# Altium PCB KlusterLab r2.0.PcbDoc (part 11 of 22)
Units mm, origin at the board's own origin, x right, y up, seen from the top; angles counter-clockwise.
Board outline 232 x 250 mm, 12 copper layers (L1 Top, L2 Inner1 (GND), L3 Inner2 (Sig), L4 Inner3 (GND), L5 Inner4 (PWR), L6 Inner5 (PWR), L7 Inner6 (PWR), L8 Inner7 (PWR), L9 Inner8 (GND), L10 Inner9 (Sig), L11 Inner10 (GND), L12 Bottom), stack 1.614 mm thick; 1169 components, 852 nets, 4679 pads, 5115 vias.
Unrouted connection lines stored in the file: 1.
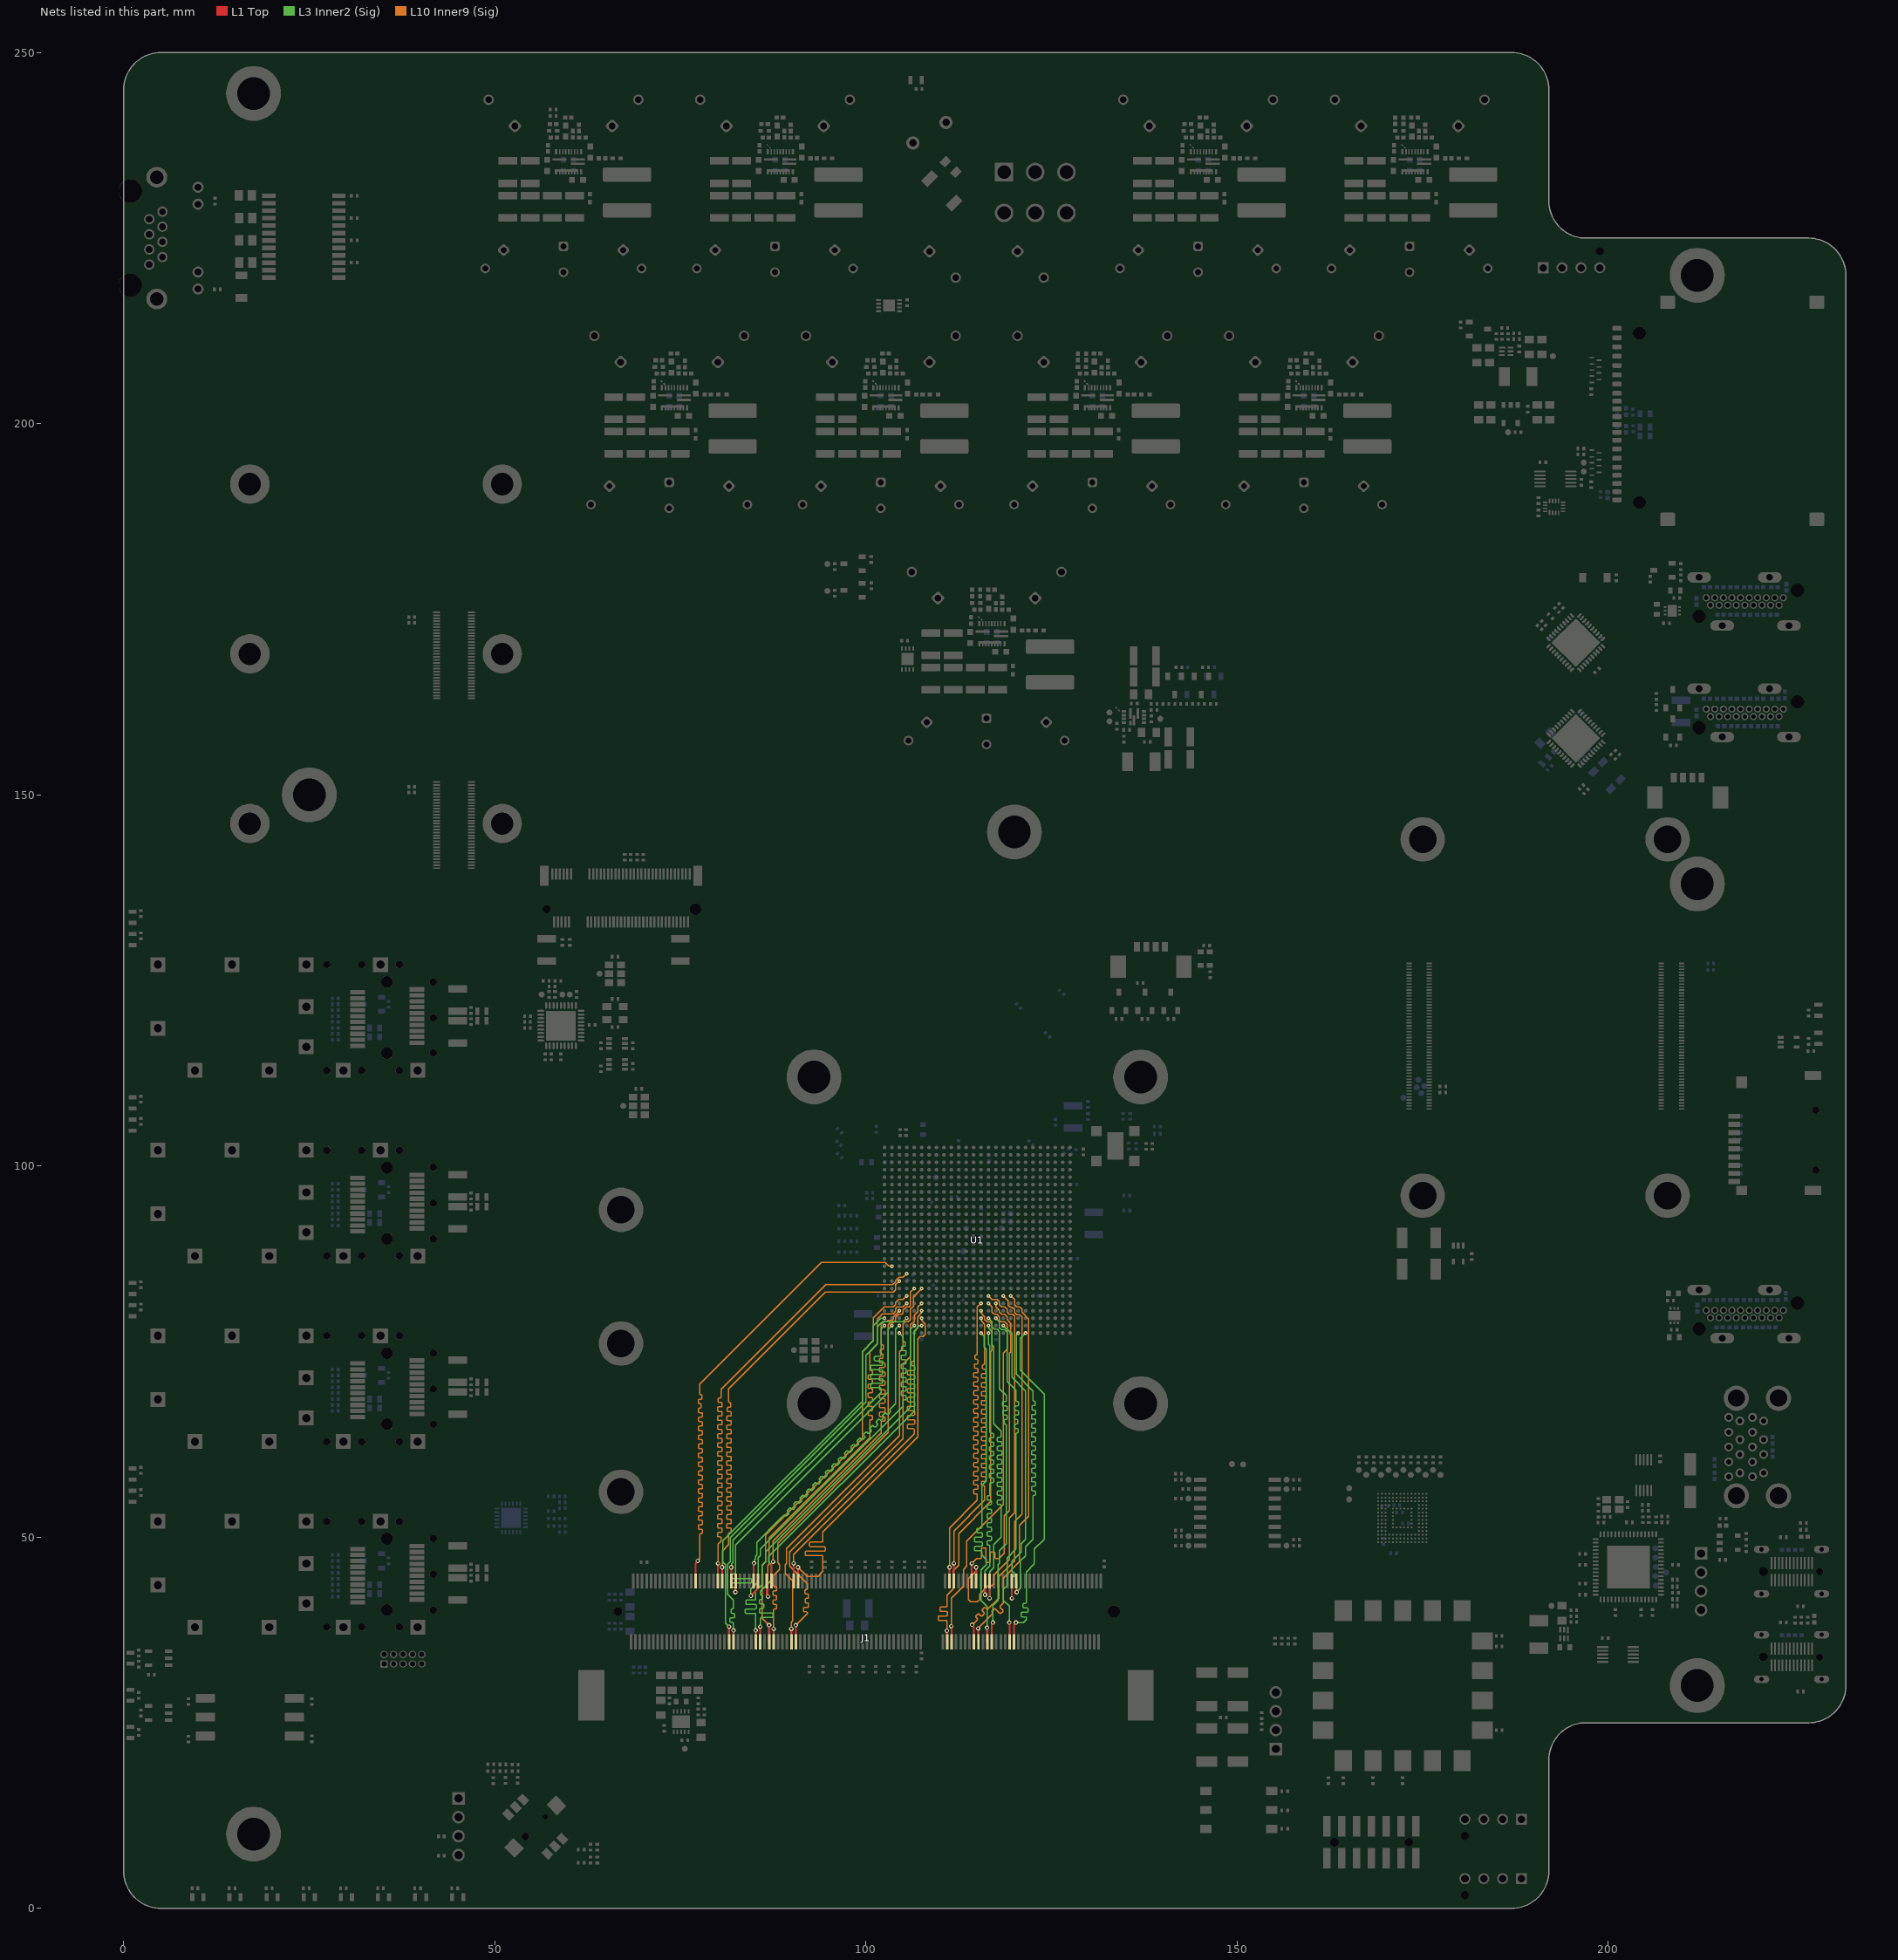
[diagram p21: the nets of this part, all layers, seen from the top]

## Via types
v1: diameter 0.45, hole 0.2, L1 Top to L12 Bottom, tented both sides, 4200 vias
v2: diameter 0.6, hole 0.3, L1 Top to L12 Bottom, tented both sides, 908 vias
v3: diameter 0.4, hole 0.2, L1 Top to L12 Bottom, tented both sides, 7 vias

## Nets (pads, with @x,y where several pads share a name; then routed paths per layer and width w, separated by ;. In a path a pad name is that pad's centre, name@x,y a point inside that pad or via, vN(x,y) a via of type N, cw(c..) or ccw(c..) an arc to the next point about the centre after c; other vN are vias at no path point) (continued)
DDR3_D16: J1.39 U1.AF19 | length 46.9
  L1 Top w0.249: J1.39@120.25,44.1 120.275,44.075 120.275,42.625 v2(120.3,42.6)
  L3 Inner2 (Sig) w0.154: v2(120.3,42.6) 120.8,43.1 120.8,46.8 121.5,47.5 121.5,48.7 122.5,49.7 122.5,54.811 122.5,55.492 cw(c122.654,55.492) 122.654,55.646 122.694,55.646 ccw(c122.694,55.797) 122.845,55.797 122.845,56.099 ccw(c122.694,56.099) 122.694,56.25 122.452,56.25 cw(c122.452,56.401) 122.301,56.401 122.301,56.703 cw(c122.452,56.703) 122.452,56.854 122.694,56.854 ccw(c122.694,57.005) 122.845,57.005 122.845,57.307 ccw(c122.694,57.307) 122.694,57.458 122.452,57.458 cw(c122.452,57.609) 122.301,57.609 122.301,57.911 cw(c122.452,57.911) 122.452,58.062 122.694,58.062 ccw(c122.694,58.213) 122.845,58.213 122.845,58.515 ccw(c122.694,58.515) 122.694,58.666 122.452,58.666 cw(c122.452,58.817) 122.301,58.817 122.301,59.119 cw(c122.452,59.119) 122.452,59.27 122.694,59.27 ccw(c122.694,59.421) 122.845,59.421 122.845,59.723 ccw(c122.694,59.723) 122.694,59.874 122.452,59.874 cw(c122.452,60.025) 122.301,60.025 122.301,60.327 cw(c122.452,60.327) 122.452,60.478 122.694,60.478 ccw(c122.694,60.629) 122.845,60.629 122.845,60.931 ccw(c122.694,60.931) 122.694,61.082 122.452,61.082 cw(c122.452,61.233) 122.301,61.233 122.301,61.535 cw(c122.452,61.535) 122.452,61.686 122.694,61.686 ccw(c122.694,61.837) 122.845,61.837 122.845,62.139 ccw(c122.694,62.139) 122.694,62.29 122.452,62.29 cw(c122.452,62.441) 122.301,62.441 122.301,62.743 cw(c122.452,62.743) 122.452,62.894 122.694,62.894 ccw(c122.694,63.045) 122.845,63.045 122.845,63.347 ccw(c122.694,63.347) 122.694,63.498 122.452,63.498 cw(c122.452,63.649) 122.301,63.649 122.301,63.951 cw(c122.452,63.951) 122.452,64.102 122.694,64.102 ccw(c122.694,64.253) 122.845,64.253 122.845,64.555 ccw(c122.694,64.555) 122.694,64.706 122.452,64.706 cw(c122.452,64.857) 122.301,64.857 122.301,65.159 cw(c122.452,65.159) 122.452,65.31 122.694,65.31 ccw(c122.694,65.461) 122.845,65.461 122.845,65.763 ccw(c122.694,65.763) 122.694,65.914 122.452,65.914 cw(c122.452,66.065) 122.301,66.065 122.301,66.367 cw(c122.452,66.367) 122.452,66.518 122.69,66.518 ccw(c122.69,66.669) 122.841,66.669 122.841,66.971 ccw(c122.69,66.971) 122.69,67.123 122.5,67.123 cw(c122.5,67.274) 122.349,67.274 122.349,67.576 cw(c122.5,67.576) 122.5,67.727 122.654,67.727 ccw(c122.654,67.878) 122.805,67.878 122.805,68.18 ccw(c122.654,68.18) 122.654,68.331 cw(c122.654,68.485) 122.5,68.485 122.5,69.7 120.25,71.95 120.25,77.25 v1(120.5,77.5)
DDR3_D17: J1.41 U1.AE17 | length 41.5
  L1 Top w0.249: v2(119.65,41.75) J1.41@119.65,44.1
  L3 Inner2 (Sig) w0.154: v1(118.502,78.5) 119.65,77.352 119.65,71.55 121.5,69.7 121.5,49.7 120.9,49.1 120.9,48 119.65,46.75 119.65,45.515 119.65,45.438 ccw(c119.804,45.438) 119.804,45.284 119.818,45.284 cw(c119.818,45.133) 119.969,45.133 119.969,44.831 cw(c119.818,44.831) 119.818,44.68 119.804,44.68 ccw(c119.804,44.526) 119.65,44.526 119.65,43.9 v2(119.65,41.75)
DDR3_D18: J1.51 U1.AE15 | length 47.8
  L1 Top w0.249: v2(116.65,41.75) J1.51@116.65,44.1
  L3 Inner2 (Sig) w0.154: v1(116.5,78.5) 116.525,78.475 116.525,78.175 117,77.7 117,75.9 117.2,75.7 117.2,65.3 118.2,64.3 118.2,63.619 cw(c118.046,63.619) 118.046,63.465 117.851,63.465 ccw(c117.851,63.314) 117.7,63.314 117.7,63.012 ccw(c117.851,63.012) 117.851,62.861 118.151,62.861 cw(c118.151,62.71) 118.302,62.71 118.302,62.408 cw(c118.151,62.408) 118.151,62.257 117.851,62.257 ccw(c117.851,62.106) 117.7,62.106 117.7,61.804 ccw(c117.851,61.804) 117.851,61.653 118.151,61.653 cw(c118.151,61.502) 118.302,61.502 118.302,61.2 cw(c118.151,61.2) 118.151,61.049 117.851,61.049 ccw(c117.851,60.898) 117.7,60.898 117.7,60.596 ccw(c117.851,60.596) 117.851,60.445 118.151,60.445 cw(c118.151,60.294) 118.302,60.294 118.302,59.992 cw(c118.151,59.992) 118.151,59.841 117.851,59.841 ccw(c117.851,59.69) 117.7,59.69 117.7,59.388 ccw(c117.851,59.388) 117.851,59.237 118.151,59.237 cw(c118.151,59.086) 118.302,59.086 118.302,58.784 cw(c118.151,58.784) 118.151,58.633 117.851,58.633 ccw(c117.851,58.482) 117.7,58.482 117.7,58.18 ccw(c117.851,58.18) 117.851,58.029 118.151,58.029 cw(c118.151,57.877) 118.302,57.877 118.302,57.575 cw(c118.151,57.575) 118.151,57.424 117.851,57.424 ccw(c117.851,57.273) 117.7,57.273 117.7,56.971 ccw(c117.851,56.971) 117.851,56.82 118.151,56.82 cw(c118.151,56.669) 118.302,56.669 118.302,56.367 cw(c118.151,56.367) 118.151,56.216 117.851,56.216 ccw(c117.851,56.065) 117.7,56.065 117.7,55.763 ccw(c117.851,55.763) 117.851,55.612 118.151,55.612 cw(c118.151,55.461) 118.302,55.461 118.302,55.159 cw(c118.151,55.159) 118.151,55.008 117.851,55.008 ccw(c117.851,54.857) 117.7,54.857 117.7,54.555 ccw(c117.851,54.555) 117.851,54.404 118.046,54.404 cw(c118.046,54.25) 118.2,54.25 118.2,52.627 118.2,50 117.2,49 117.2,45.9 116.65,45.35 v2(116.65,41.75)
DDR3_D19: J1.53 U1.AF15 | length 47.5
  L1 Top w0.249: v2(116.05,42.25) J1.53@116.05,44.1
  L3 Inner2 (Sig) w0.154: v2(116.05,42.25) 116.05,45.45 116.7,46.1 116.7,48.697 116.7,48.774 ccw(c116.546,48.774) 116.546,48.928 116.476,48.928 cw(c116.476,49.079) 116.325,49.079 116.325,49.381 cw(c116.476,49.381) 116.476,49.532 116.741,49.532 ccw(c116.741,49.683) 116.892,49.683 116.892,49.985 ccw(c116.741,49.985) 116.741,50.136 116.476,50.136 cw(c116.476,50.287) 116.325,50.287 116.325,50.589 cw(c116.476,50.589) 116.476,50.74 116.741,50.74 ccw(c116.741,50.891) 116.892,50.891 116.892,51.193 ccw(c116.741,51.193) 116.741,51.344 116.476,51.344 cw(c116.476,51.495) 116.325,51.495 116.325,51.798 cw(c116.476,51.798) 116.476,51.949 116.741,51.949 ccw(c116.741,52.1) 116.892,52.1 116.892,52.402 ccw(c116.741,52.402) 116.741,52.553 116.476,52.553 cw(c116.476,52.704) 116.325,52.704 116.325,53.006 cw(c116.476,53.006) 116.476,53.157 116.741,53.157 ccw(c116.741,53.308) 116.892,53.308 116.892,53.61 ccw(c116.741,53.61) 116.741,53.761 116.476,53.761 cw(c116.476,53.912) 116.325,53.912 116.325,54.214 cw(c116.476,54.214) 116.476,54.365 116.741,54.365 ccw(c116.741,54.516) 116.892,54.516 116.892,54.818 ccw(c116.741,54.818) 116.741,54.969 116.476,54.969 cw(c116.476,55.12) 116.325,55.12 116.325,55.422 cw(c116.476,55.422) 116.476,55.573 116.546,55.573 ccw(c116.546,55.727) 116.7,55.727 116.7,56.496 116.7,56.531 116.7,57.212 cw(c116.854,57.212) 116.854,57.366 117.049,57.366 ccw(c117.049,57.517) 117.2,57.517 117.2,57.819 ccw(c117.049,57.819) 117.049,57.97 116.782,57.97 cw(c116.782,58.121) 116.631,58.121 116.631,58.423 cw(c116.782,58.423) 116.782,58.574 117.049,58.574 ccw(c117.049,58.725) 117.2,58.725 117.2,59.027 ccw(c117.049,59.027) 117.049,59.178 116.782,59.178 cw(c116.782,59.329) 116.631,59.329 116.631,59.631 cw(c116.782,59.631) 116.782,59.782 117.049,59.782 ccw(c117.049,59.933) 117.2,59.933 117.2,60.235 ccw(c117.049,60.235) 117.049,60.386 116.782,60.386 cw(c116.782,60.537) 116.631,60.537 116.631,60.839 cw(c116.782,60.839) 116.782,60.99 117.049,60.99 ccw(c117.049,61.141) 117.2,61.141 117.2,61.443 ccw(c117.049,61.443) 117.049,61.594 116.782,61.594 cw(c116.782,61.745) 116.631,61.745 116.631,62.047 cw(c116.782,62.047) 116.782,62.198 117.049,62.198 ccw(c117.049,62.349) 117.2,62.349 117.2,62.651 ccw(c117.049,62.651) 117.049,62.802 116.782,62.802 cw(c116.782,62.953) 116.631,62.953 116.631,63.255 cw(c116.782,63.255) 116.782,63.406 117.049,63.406 ccw(c117.049,63.557) 117.2,63.557 117.2,63.859 ccw(c117.049,63.859) 117.049,64.01 116.854,64.01 cw(c116.854,64.164) 116.7,64.164 116.7,64.88 116.7,75.8 116.5,76 v1(116.5,77.5)
DDR3_D20: J1.40 U1.AF20 | length 47.7
  L1 Top w0.249: J1.40@119.95,35.9 119.95,38.155 120.2,38.405 v2(120.2,38.5)
  L3 Inner2 (Sig) w0.154: v2(120.2,38.5) 121.2,38.5 121.6,38.9 121.6,39.044 121.6,39.121 ccw(c121.446,39.121) 121.446,39.275 121.054,39.275 cw(c121.054,39.426) 120.903,39.426 120.903,39.728 cw(c121.054,39.728) 121.054,39.879 121.675,39.879 ccw(c121.675,40.03) 121.826,40.03 121.826,40.332 ccw(c121.675,40.332) 121.675,40.483 121.305,40.483 cw(c121.305,40.634) 121.154,40.634 121.154,40.936 cw(c121.305,40.936) 121.305,41.087 121.446,41.087 ccw(c121.446,41.242) 121.6,41.242 121.6,42.7 121.6,45.3 122.7,46.4 122.7,48.4 124,49.7 124,69.3 120.8,72.5 120.8,76.803 v1(121.497,77.5)
DDR3_D21: J1.42 U1.AD16 | length 48.3
  L1 Top w0.249: v2(119.3,38.5) 119.35,38.45 J1.42@119.35,35.9
  L3 Inner2 (Sig) w0.154: v1(117.5,79.5) 118,79 118,78.2 118.249,77.951 118.649,77.951 119,77.6 119,71 120.2,69.8 120.2,68.5 120.2,68.423 ccw(c120.354,68.423) 120.354,68.269 120.393,68.269 cw(c120.393,68.118) 120.544,68.118 120.544,67.816 cw(c120.393,67.816) 120.393,67.665 120.204,67.665 ccw(c120.204,67.514) 120.053,67.514 120.053,67.212 ccw(c120.204,67.212) 120.204,67.061 120.393,67.061 cw(c120.393,66.91) 120.544,66.91 120.544,66.608 cw(c120.393,66.608) 120.393,66.457 120.204,66.457 ccw(c120.204,66.306) 120.053,66.306 120.053,66.004 ccw(c120.204,66.004) 120.204,65.853 120.295,65.853 cw(c120.295,65.702) 120.446,65.702 120.446,65.4 cw(c120.295,65.4) 120.295,65.249 120.204,65.249 ccw(c120.204,65.098) 120.053,65.098 120.053,64.796 ccw(c120.204,64.796) 120.204,64.645 120.354,64.645 cw(c120.354,64.494) 120.505,64.494 120.505,64.192 cw(c120.354,64.192) 120.354,64.041 ccw(c120.354,63.887) 120.2,63.887 120.2,60.7 120.2,48.4 119,47.2 119,43.5 118.5,43 118.5,41.5 119.3,40.7 v2(119.3,38.5)
DDR3_D22: J1.50 U1.AD15 | length 47.9
  L1 Top w0.249: J1.50@116.95,35.9 116.95,38.255 117.1,38.405 v2(117.1,38.5)
  L3 Inner2 (Sig) w0.154: v1(116.5,79.5) 117,79 117,78.3 117.3,78 117.7,78 118,77.7 118,70 118.9,69.1 118.9,68.419 cw(c118.746,68.419) 118.746,68.265 118.551,68.265 ccw(c118.551,68.114) 118.4,68.114 118.4,67.812 ccw(c118.551,67.812) 118.551,67.661 118.872,67.661 cw(c118.872,67.51) 119.023,67.51 119.023,67.208 cw(c118.872,67.208) 118.872,67.057 118.582,67.057 ccw(c118.582,66.906) 118.431,66.906 118.431,66.604 ccw(c118.582,66.604) 118.582,66.453 118.872,66.453 cw(c118.872,66.302) 119.023,66.302 119.023,66 cw(c118.872,66) 118.872,65.849 118.746,65.849 ccw(c118.746,65.698) 118.595,65.698 118.595,65.396 ccw(c118.746,65.396) 118.746,65.245 cw(c118.746,65.091) 118.9,65.091 118.9,63.7 118.9,49.1 118,48.2 118,46.5 117.8,46.3 117.8,41.5 117.1,40.8 v2(117.1,38.5)
DDR3_D23: J1.52 U1.AF14 | length 47.8
  L1 Top w0.249: v2(116.3,37.8) 116.325,37.775 116.325,35.925 J1.52@116.35,35.9
  L3 Inner2 (Sig) w0.154: v1(115.5,77.498) 115.9,77.098 115.9,75.6 116.2,75.3 116.2,57.6 115.6,57 115.6,56 115.6,51.344 cw(c115.446,51.344) 115.446,51.19 115.089,51.19 ccw(c115.089,51.039) 114.938,51.039 114.938,50.737 ccw(c115.089,50.737) 115.089,50.586 115.521,50.586 cw(c115.521,50.435) 115.672,50.435 115.672,50.133 cw(c115.521,50.133) 115.521,49.982 114.772,49.982 ccw(c114.772,49.831) 114.621,49.831 114.621,49.529 ccw(c114.772,49.529) 114.772,49.378 115.521,49.378 cw(c115.521,49.227) 115.672,49.227 115.672,48.925 cw(c115.521,48.925) 115.521,48.774 114.772,48.774 ccw(c114.772,48.623) 114.621,48.623 114.621,48.321 ccw(c114.772,48.321) 114.772,48.17 115.446,48.17 cw(c115.446,48.016) 115.6,48.016 115.6,47.939 115.6,47.6 116.2,47 116.2,46.3 115.5,45.6 115.5,41.5 116.35,40.65 116.35,37.85 v2(116.3,37.8)
DDR3_D24: J1.57 U1.AA15 | length 53.9
  L1 Top w0.249: J1.57@114.85,44.1 v2(114.85,45.95)
  L10 Inner9 (Sig) w0.154: v2(114.85,45.95) 114.8,45.9 114.8,45.4 113.8,44.4 113.8,41.6 114.1,41.3 115,41.3 115.3,41.6 115.3,42.3 116.4,43.4 116.9,43.4 117.2,43.7 117.2,44.9 119.3,47 119.3,52.6 120,53.3 120,74.6 120,79.8 119.8,80 119.3,80 119,80.3 119,80.7 118.7,81 118.3,81 118,81.3 118,81.7 117.7,82 117,82 v1(116.5,82.5)
DDR3_D25: J1.59 U1.AB16 | length 47.6
  L1 Top w0.249: J1.59@114.25,44.1 v2(114.25,46.45)
  L10 Inner9 (Sig) w0.154: v2(114.25,46.45) 114.9,47.1 115.318,47.1 115.395,47.1 ccw(c115.395,47.254) 115.549,47.254 115.549,48.396 cw(c115.7,48.396) 115.7,48.547 116.002,48.547 cw(c116.002,48.396) 116.153,48.396 116.153,46.751 ccw(c116.304,46.751) 116.304,46.6 116.606,46.6 ccw(c116.606,46.751) 116.757,46.751 116.757,47.863 cw(c116.908,47.863) 116.908,48.014 117.21,48.014 cw(c117.21,47.863) 117.361,47.863 117.361,47.254 ccw(c117.515,47.254) 117.515,47.1 117.832,47.1 117.9,47.1 118.6,47.8 118.6,52.9 119.3,53.6 119.3,74.8 119.5,75 119.5,78.8 119,79.3 119,79.7 118.7,80 118.3,80 118,80.3 118,80.569 117.525,81.044 117.525,81.475 v1(117.5,81.5)
DDR3_D26: J1.67 U1.AD14 | length 50.1
  L1 Top w0.249: J1.67@111.85,44.1 v2(111.85,46.45)
  L10 Inner9 (Sig) w0.154: v2(111.85,46.45) 111.85,50.85 116,55 116,56.7 116,56.777 ccw(c115.846,56.777) 115.846,56.931 115.712,56.931 cw(c115.712,57.082) 115.561,57.082 115.561,57.384 cw(c115.712,57.384) 115.712,57.535 116.019,57.535 ccw(c116.019,57.686) 116.17,57.686 116.17,57.988 ccw(c116.019,57.988) 116.019,58.139 115.712,58.139 cw(c115.712,58.29) 115.561,58.29 115.561,58.592 cw(c115.712,58.592) 115.712,58.743 116.019,58.743 ccw(c116.019,58.894) 116.17,58.894 116.17,59.196 ccw(c116.019,59.196) 116.019,59.347 115.712,59.347 cw(c115.712,59.498) 115.561,59.498 115.561,59.8 cw(c115.712,59.8) 115.712,59.951 116.019,59.951 ccw(c116.019,60.102) 116.17,60.102 116.17,60.404 ccw(c116.019,60.404) 116.019,60.555 115.712,60.555 cw(c115.712,60.706) 115.561,60.706 115.561,61.008 cw(c115.712,61.008) 115.712,61.159 116.019,61.159 ccw(c116.019,61.31) 116.17,61.31 116.17,61.612 ccw(c116.019,61.612) 116.019,61.763 115.712,61.763 cw(c115.712,61.914) 115.561,61.914 115.561,62.216 cw(c115.712,62.216) 115.712,62.367 116.019,62.367 ccw(c116.019,62.518) 116.17,62.518 116.17,62.82 ccw(c116.019,62.82) 116.019,62.971 115.712,62.971 cw(c115.712,63.122) 115.561,63.122 115.561,63.424 cw(c115.712,63.424) 115.712,63.575 116.019,63.575 ccw(c116.019,63.726) 116.17,63.726 116.17,64.028 ccw(c116.019,64.028) 116.019,64.179 115.712,64.179 cw(c115.712,64.33) 115.561,64.33 115.561,64.632 cw(c115.712,64.632) 115.712,64.783 116.019,64.783 ccw(c116.019,64.934) 116.17,64.934 116.17,65.236 ccw(c116.019,65.236) 116.019,65.387 115.712,65.387 cw(c115.712,65.538) 115.561,65.538 115.561,65.84 cw(c115.712,65.84) 115.712,65.991 116.019,65.991 ccw(c116.019,66.142) 116.17,66.142 116.17,66.444 ccw(c116.019,66.444) 116.019,66.595 115.712,66.595 cw(c115.712,66.746) 115.561,66.746 115.561,67.048 cw(c115.712,67.048) 115.712,67.199 116.019,67.199 ccw(c116.019,67.35) 116.17,67.35 116.17,67.652 ccw(c116.019,67.652) 116.019,67.803 115.712,67.803 cw(c115.712,67.954) 115.561,67.954 115.561,68.256 cw(c115.712,68.256) 115.712,68.407 116.019,68.407 ccw(c116.019,68.558) 116.17,68.558 116.17,68.86 ccw(c116.019,68.86) 116.019,69.011 115.712,69.011 cw(c115.712,69.162) 115.561,69.162 115.561,69.464 cw(c115.712,69.464) 115.712,69.615 116.019,69.615 ccw(c116.019,69.766) 116.17,69.766 116.17,70.068 ccw(c116.019,70.068) 116.019,70.219 115.712,70.219 cw(c115.712,70.37) 115.561,70.37 115.561,70.672 cw(c115.712,70.672) 115.712,70.823 116.019,70.823 ccw(c116.019,70.974) 116.17,70.974 116.17,71.276 ccw(c116.019,71.276) 116.019,71.427 115.718,71.427 cw(c115.718,71.578) 115.567,71.578 115.567,71.88 cw(c115.718,71.88) 115.718,72.031 116,72.031 ccw(c116,72.182) 116.151,72.182 116.151,72.484 ccw(c116,72.484) 116,72.635 115.846,72.635 cw(c115.846,72.786) 115.695,72.786 115.695,73.088 cw(c115.846,73.088) 115.846,73.239 ccw(c115.846,73.393) 116,73.393 116,76.9 116,78.7 115.557,79.143 115.557,79.443 v1(115.5,79.5)
DDR3_D27: J1.69 U1.AB14 | length 52.5
  L1 Top w0.249: J1.69@111.25,44.1 v2(111.25,45.95)
  L10 Inner9 (Sig) w0.154: v2(111.25,45.95) 111.25,51.25 115,55 115,55.6 115,55.677 ccw(c114.846,55.677) 114.846,55.831 114.651,55.831 cw(c114.651,55.982) 114.5,55.982 114.5,56.284 cw(c114.651,56.284) 114.651,56.435 114.92,56.435 ccw(c114.92,56.586) 115.071,56.586 115.071,56.888 ccw(c114.92,56.888) 114.92,57.039 114.651,57.039 cw(c114.651,57.19) 114.5,57.19 114.5,57.492 cw(c114.651,57.492) 114.651,57.643 114.92,57.643 ccw(c114.92,57.794) 115.071,57.794 115.071,58.096 ccw(c114.92,58.096) 114.92,58.247 114.651,58.247 cw(c114.651,58.398) 114.5,58.398 114.5,58.7 cw(c114.651,58.7) 114.651,58.851 114.92,58.851 ccw(c114.92,59.002) 115.071,59.002 115.071,59.304 ccw(c114.92,59.304) 114.92,59.455 114.651,59.455 cw(c114.651,59.606) 114.5,59.606 114.5,59.908 cw(c114.651,59.908) 114.651,60.059 114.92,60.059 ccw(c114.92,60.21) 115.071,60.21 115.071,60.512 ccw(c114.92,60.512) 114.92,60.663 114.651,60.663 cw(c114.651,60.814) 114.5,60.814 114.5,61.116 cw(c114.651,61.116) 114.651,61.267 114.92,61.267 ccw(c114.92,61.418) 115.071,61.418 115.071,61.72 ccw(c114.92,61.72) 114.92,61.871 114.651,61.871 cw(c114.651,62.022) 114.5,62.022 114.5,62.324 cw(c114.651,62.324) 114.651,62.475 114.92,62.475 ccw(c114.92,62.626) 115.071,62.626 115.071,62.928 ccw(c114.92,62.928) 114.92,63.079 114.651,63.079 cw(c114.651,63.23) 114.5,63.23 114.5,63.532 cw(c114.651,63.532) 114.651,63.683 114.92,63.683 ccw(c114.92,63.834) 115.071,63.834 115.071,64.136 ccw(c114.92,64.136) 114.92,64.287 114.651,64.287 cw(c114.651,64.438) 114.5,64.438 114.5,64.74 cw(c114.651,64.74) 114.651,64.891 114.92,64.891 ccw(c114.92,65.042) 115.071,65.042 115.071,65.344 ccw(c114.92,65.344) 114.92,65.495 114.651,65.495 cw(c114.651,65.646) 114.5,65.646 114.5,65.948 cw(c114.651,65.948) 114.651,66.099 114.92,66.099 ccw(c114.92,66.25) 115.071,66.25 115.071,66.552 ccw(c114.92,66.552) 114.92,66.703 114.651,66.703 cw(c114.651,66.854) 114.5,66.854 114.5,67.156 cw(c114.651,67.156) 114.651,67.307 114.92,67.307 ccw(c114.92,67.458) 115.071,67.458 115.071,67.76 ccw(c114.92,67.76) 114.92,67.911 114.651,67.911 cw(c114.651,68.062) 114.5,68.062 114.5,68.364 cw(c114.651,68.364) 114.651,68.515 114.92,68.515 ccw(c114.92,68.666) 115.071,68.666 115.071,68.968 ccw(c114.92,68.968) 114.92,69.119 114.651,69.119 cw(c114.651,69.27) 114.5,69.27 114.5,69.572 cw(c114.651,69.572) 114.651,69.723 114.92,69.723 ccw(c114.92,69.874) 115.071,69.874 115.071,70.176 ccw(c114.92,70.176) 114.92,70.327 114.651,70.327 cw(c114.651,70.478) 114.5,70.478 114.5,70.78 cw(c114.651,70.78) 114.651,70.931 114.92,70.931 ccw(c114.92,71.082) 115.071,71.082 115.071,71.384 ccw(c114.92,71.384) 114.92,71.535 114.651,71.535 cw(c114.651,71.686) 114.5,71.686 114.5,71.988 cw(c114.651,71.988) 114.651,72.139 114.92,72.139 ccw(c114.92,72.29) 115.071,72.29 115.071,72.592 ccw(c114.92,72.592) 114.92,72.743 114.77,72.743 cw(c114.77,72.894) 114.619,72.894 114.619,73.196 cw(c114.77,73.196) 114.77,73.347 114.92,73.347 ccw(c114.92,73.498) 115.071,73.498 115.071,73.8 ccw(c114.92,73.8) 114.92,73.951 114.846,73.951 cw(c114.846,74.102) 114.695,74.102 114.695,74.404 cw(c114.846,74.404) 114.846,74.555 ccw(c114.846,74.709) 115,74.709 115,77.3 115,81 v1(115.5,81.5)
DDR3_D28: J1.56 U1.AA18 | length 52.4
  L1 Top w0.249: v2(115.1,37.7) 115.125,37.675 115.125,35.925 J1.56@115.15,35.9
  L10 Inner9 (Sig) w0.154: v2(115.1,37.7) 116.989,39.589 117.044,39.644 ccw(c116.935,39.753) 117.044,39.862 117.03,39.875 cw(c117.137,39.982) 117.03,40.089 117.244,40.302 cw(c117.351,40.195) 117.457,40.302 117.994,39.766 ccw(c118.101,39.873) 118.207,39.766 118.421,39.979 ccw(c118.314,40.086) 118.421,40.193 118.116,40.498 cw(c118.225,40.607) 118.116,40.716 118.5,41.1 118.5,41.633 118.5,44.5 120.7,46.7 120.7,51.6 121.898,52.798 121.898,74.698 121.898,77.467 121.899,77.468 121.899,79.401 121,80.3 121,80.7 120.7,81 120.3,81 120,81.3 120,82 v1(119.5,82.5)
DDR3_D29: J1.58 U1.AA17 | length 52.6
  L1 Top w0.249: v2(114.3,38.2) 114.367,38.133 114.367,38.007 114.55,37.824 J1.58@114.55,35.9
  L10 Inner9 (Sig) w0.154: v2(114.3,38.2) 114.331,38.2 114.916,38.784 114.97,38.839 ccw(c114.861,38.948) 114.97,39.057 114.832,39.195 cw(c114.939,39.301) 114.832,39.408 115.046,39.622 cw(c115.152,39.515) 115.259,39.622 115.458,39.422 ccw(c115.565,39.529) 115.672,39.422 115.886,39.636 ccw(c115.779,39.743) 115.886,39.85 115.69,40.045 cw(c115.797,40.151) 115.69,40.258 115.904,40.472 cw(c116.011,40.365) 116.118,40.472 116.251,40.338 ccw(c116.36,40.447) 116.469,40.338 117.666,41.534 117.9,41.769 117.9,44.7 120,46.8 120,52.1 121,53.1 121,79.669 120.7,79.969 120.3,79.969 120,80.269 120,80.669 119.694,80.975 119.425,80.975 119.119,81.282 119.119,81.85 118.5,82.469 v1(118.5,82.5)